# EAGLE board Mk4 Final Panel 6up 3x2 (EAGLE 9.0.1), part 11 of 18
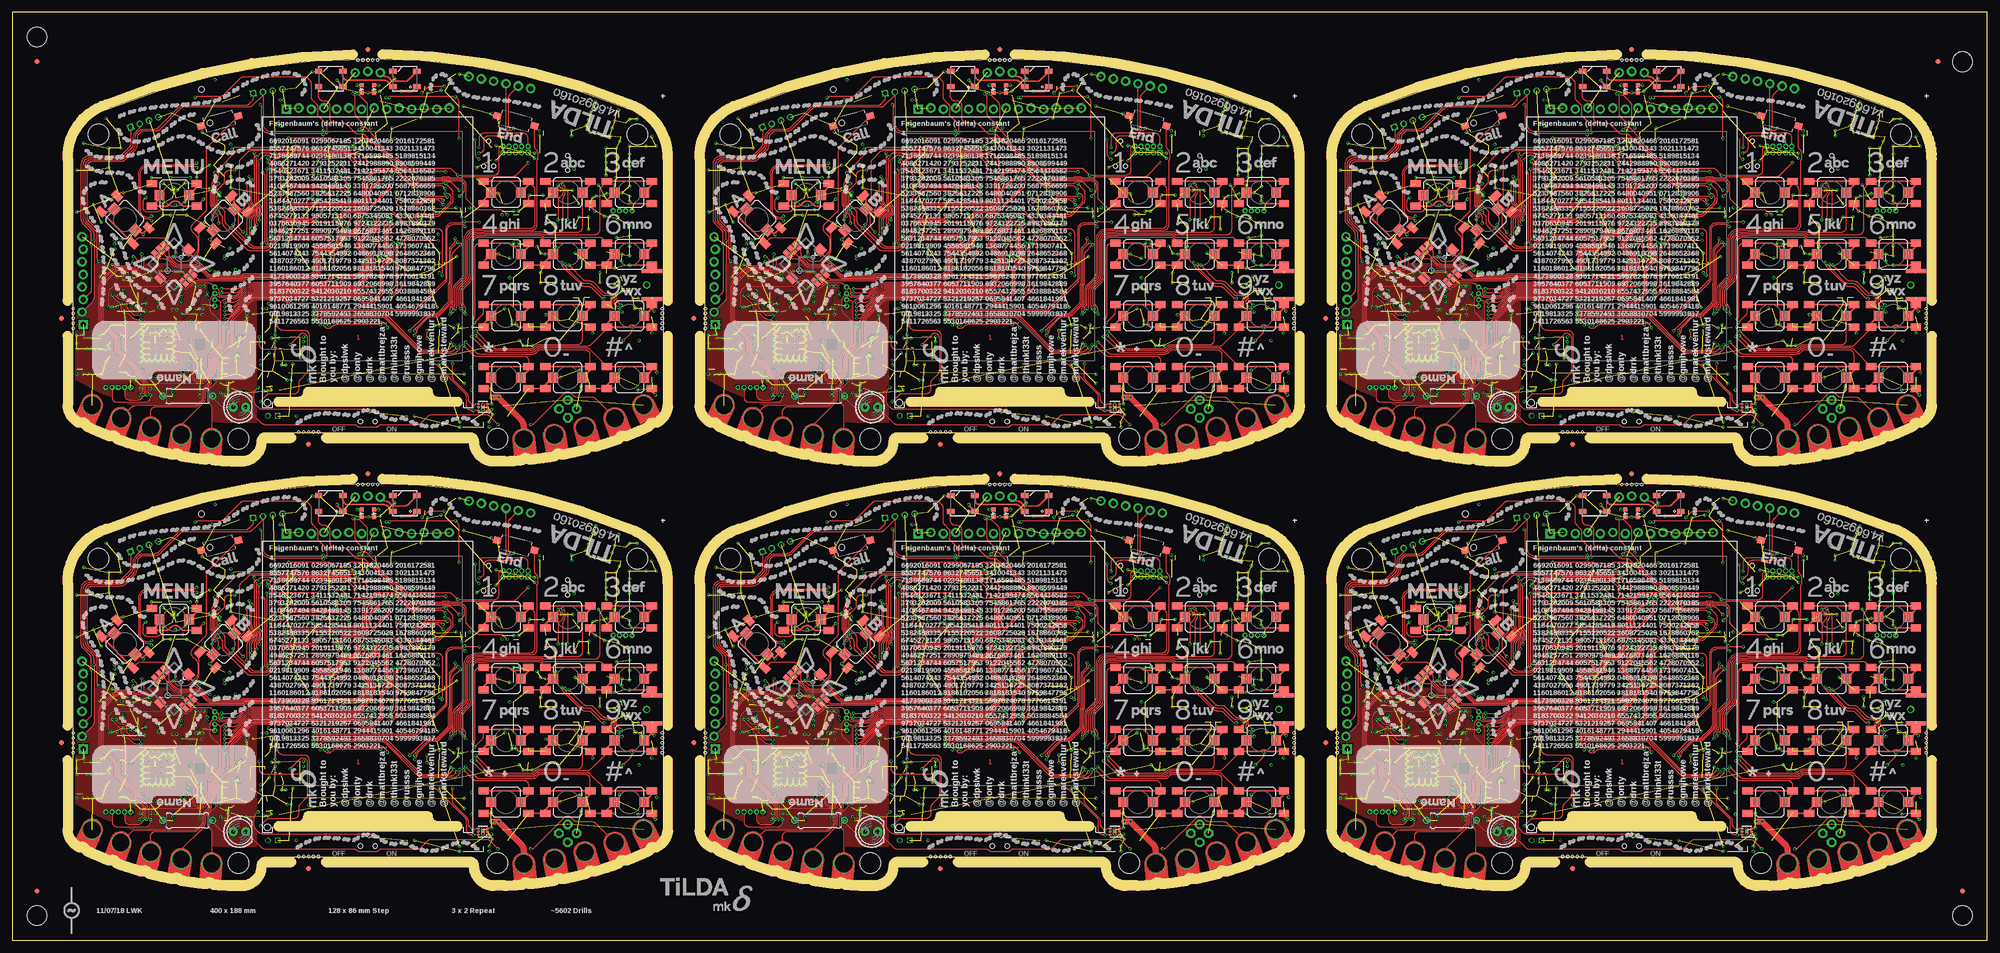
[diagram p0: board, top side]
## Tracks (layer width: path | path; a pad name or v marks a point on that pad's centre or on a via) (continued)
JOY_DOWN  (via drill 0.3) (continued)
  Bottom 0.15: v72,59.8 72.1,59.9 72.1,60.61 arc45 71.81,61.32 71.59,61.53 arc-45 71.3,62.24 71.3,66.69 arc45 71.01,67.39 69.69,68.71 arc-45 69.4,69.41 IC1.74
JOY_DOWN1  (via drill 0.3)
  Top 0.15: v200,59.8 200,59.41 arc-45 199.71,58.71 197.85,56.85 arc-45 197.49,56.7 195.5,56.7 arc90 195,56.2 195,55.8 arc-90 193,53.8 190.94,53.8 arc90 190.35,53.2 190.35,49.52 arc-90 188.68,47.85 175.29,47.85 arc45 175.12,47.78 174.99,47.65 arc-45 174.81,47.58 165.08,47.58 arc45 164.73,47.43 164.15,46.85 arc-45 163.79,46.7 163.3,46.7 SW2.D
  Bottom 0.15: v200,59.8 200.1,59.9 200.1,60.61 arc45 199.81,61.32 199.59,61.53 arc-45 199.3,62.24 199.3,66.69 arc45 199.01,67.39 197.69,68.71 arc-45 197.4,69.41 IC20.74
JOY_DOWN2  (via drill 0.3)
  Top 0.15: v72,145.8 72,145.41 arc-45 71.71,144.71 69.85,142.85 arc-45 69.49,142.7 67.5,142.7 arc90 67,142.2 67,141.8 arc-90 65,139.8 62.95,139.8 arc90 62.35,139.2 62.35,135.53 arc-90 60.67,133.85 47.29,133.85 arc45 47.12,133.78 46.99,133.65 arc-45 46.81,133.57 37.08,133.57 arc45 36.73,133.43 36.15,132.85 arc-45 35.79,132.7 35.3,132.7 SW3.D
  Bottom 0.15: v72,145.8 72.1,145.9 72.1,146.61 arc45 71.81,147.32 71.59,147.53 arc-45 71.3,148.24 71.3,152.69 arc45 71.01,153.39 69.69,154.71 arc-45 69.4,155.41 IC38.74
JOY_DOWN3  (via drill 0.3)
  Top 0.15: v200,145.8 200,145.41 arc-45 199.71,144.71 197.85,142.85 arc-45 197.49,142.7 195.5,142.7 arc90 195,142.2 195,141.8 arc-90 193,139.8 190.94,139.8 arc90 190.35,139.2 190.35,135.53 arc-90 188.68,133.85 175.29,133.85 arc45 175.12,133.78 174.99,133.65 arc-45 174.81,133.57 165.08,133.57 arc45 164.73,133.43 164.15,132.85 arc-45 163.79,132.7 163.3,132.7 SW4.D
  Bottom 0.15: v200,145.8 200.1,145.9 200.1,146.61 arc45 199.81,147.32 199.59,147.53 arc-45 199.3,148.24 199.3,152.69 arc45 199.01,153.39 197.69,154.71 arc-45 197.4,155.41 IC56.74
JOY_DOWN4  (via drill 0.3)
  Top 0.15: v328,59.8 328,59.41 arc-45 327.71,58.71 325.85,56.85 arc-45 325.49,56.7 323.5,56.7 arc90 323,56.2 323,55.8 arc-90 321,53.8 318.94,53.8 arc90 318.35,53.2 318.35,49.52 arc-90 316.68,47.85 303.29,47.85 arc45 303.12,47.78 302.99,47.65 arc-45 302.81,47.58 293.08,47.58 arc45 292.73,47.43 292.15,46.85 arc-45 291.79,46.7 291.3,46.7 SW5.D
  Bottom 0.15: v328,59.8 328.1,59.9 328.1,60.61 arc45 327.81,61.32 327.59,61.53 arc-45 327.3,62.24 327.3,66.69 arc45 327.01,67.39 325.69,68.71 arc-45 325.4,69.41 IC74.74
JOY_DOWN6  (via drill 0.3)
  Top 0.15: v328,145.8 328,145.41 arc-45 327.71,144.71 325.85,142.85 arc-45 325.49,142.7 323.5,142.7 arc90 323,142.2 323,141.8 arc-90 321,139.8 318.94,139.8 arc90 318.35,139.2 318.35,135.53 arc-90 316.68,133.85 303.29,133.85 arc45 303.12,133.78 302.99,133.65 arc-45 302.81,133.57 293.08,133.57 arc45 292.73,133.43 292.15,132.85 arc-45 291.79,132.7 291.3,132.7 SW7.D
  Bottom 0.15: v328,145.8 328.1,145.9 328.1,146.61 arc45 327.81,147.32 327.59,147.53 arc-45 327.3,148.24 327.3,152.69 arc45 327.01,153.39 325.69,154.71 arc-45 325.4,155.41 IC110.74
JOY_LEFT  (via drill 0.3)
  Top 0.15: SW1.C 29.65,52.35 arc45 30.35,52.06 30.86,52.06 arc-45 31.56,51.76 32.53,50.8 arc45 33.59,50.36 36.67,50.36 arc-45 37.02,50.21 37.04,50.2 arc45 37.39,50.05 37.65,50.05 arc-45 38.01,49.9 39.3,48.61 arc45 40.36,48.17 46.44,48.17 arc45 46.83,48.34 46.87,48.38 arc-45 47.05,48.45 60.39,48.45 arc90 61.75,49.81 61.75,53.46 arc-90 62.69,54.4 64.9,54.4 arc90 66.4,55.9 66.4,56.3 arc-90 67.4,57.3 69.04,57.3 arc45 69.39,57.45 70.05,58.1 arc45 70.2,58.46 70.2,58.59 arc-45 70.35,58.95 v71.2,59.8
  Bottom 0.15: IC1.73 69,69.21 arc45 69.29,68.51 70.71,67.09 arc-45 71,66.39 71,62.11 arc45 71.29,61.41 71.51,61.19 arc-45 71.8,60.49 arc-45 71.74,60.34 v71.2,59.8
JOY_LEFT1  (via drill 0.3)
  Top 0.15: SW2.C 157.65,52.35 arc45 158.36,52.06 158.86,52.06 arc-45 159.56,51.76 160.53,50.8 arc45 161.59,50.36 164.67,50.36 arc-45 165.02,50.21 165.04,50.2 arc45 165.39,50.05 165.65,50.05 arc-45 166,49.9 167.3,48.61 arc45 168.36,48.17 174.44,48.17 arc45 174.83,48.34 174.87,48.38 arc-45 175.05,48.45 188.39,48.45 arc90 189.75,49.81 189.75,53.46 arc-90 190.69,54.4 192.9,54.4 arc90 194.4,55.9 194.4,56.3 arc-90 195.4,57.3 197.04,57.3 arc45 197.39,57.45 198.05,58.1 arc45 198.2,58.46 198.2,58.59 arc-45 198.35,58.95 v199.2,59.8
  Bottom 0.15: IC20.73 197,69.21 arc45 197.29,68.51 198.71,67.09 arc-45 199,66.39 199,62.11 arc45 199.29,61.41 199.51,61.19 arc-45 199.8,60.49 arc-45 199.74,60.34 v199.2,59.8
JOY_LEFT2  (via drill 0.3)
  Top 0.15: SW3.C 29.65,138.35 arc45 30.35,138.06 30.86,138.06 arc-45 31.56,137.76 32.53,136.8 arc45 33.59,136.36 36.67,136.36 arc-45 37.02,136.21 37.04,136.2 arc45 37.39,136.05 37.65,136.05 arc-45 38.01,135.9 39.3,134.61 arc45 40.36,134.18 46.44,134.18 arc45 46.83,134.34 46.87,134.38 arc-45 47.05,134.45 60.39,134.45 arc90 61.75,135.81 61.75,139.46 arc-90 62.69,140.4 64.9,140.4 arc90 66.4,141.9 66.4,142.3 arc-90 67.4,143.3 69.04,143.3 arc45 69.39,143.45 70.05,144.1 arc45 70.2,144.46 70.2,144.59 arc-45 70.35,144.95 v71.2,145.8
  Bottom 0.15: IC38.73 69,155.21 arc45 69.29,154.51 70.71,153.09 arc-45 71,152.39 71,148.11 arc45 71.29,147.41 71.51,147.19 arc-45 71.8,146.49 arc-45 71.74,146.34 v71.2,145.8
JOY_LEFT3  (via drill 0.3)
  Top 0.15: SW4.C 157.65,138.35 arc45 158.36,138.06 158.86,138.06 arc-45 159.56,137.76 160.53,136.8 arc45 161.59,136.36 164.67,136.36 arc-45 165.02,136.21 165.04,136.2 arc45 165.39,136.05 165.65,136.05 arc-45 166,135.9 167.3,134.61 arc45 168.36,134.18 174.44,134.18 arc45 174.83,134.34 174.87,134.38 arc-45 175.05,134.45 188.39,134.45 arc90 189.75,135.81 189.75,139.46 arc-90 190.69,140.4 192.9,140.4 arc90 194.4,141.9 194.4,142.3 arc-90 195.4,143.3 197.04,143.3 arc45 197.39,143.45 198.05,144.1 arc45 198.2,144.46 198.2,144.59 arc-45 198.35,144.95 v199.2,145.8
  Bottom 0.15: IC56.73 197,155.21 arc45 197.29,154.51 198.71,153.09 arc-45 199,152.39 199,148.11 arc45 199.29,147.41 199.51,147.19 arc-45 199.8,146.49 arc-45 199.74,146.34 v199.2,145.8
JOY_LEFT4  (via drill 0.3)
  Top 0.15: SW5.C 285.65,52.35 arc45 286.36,52.06 286.86,52.06 arc-45 287.56,51.76 288.53,50.8 arc45 289.59,50.36 292.67,50.36 arc-45 293.02,50.21 293.04,50.2 arc45 293.39,50.05 293.65,50.05 arc-45 294,49.9 295.29,48.61 arc45 296.36,48.17 302.44,48.17 arc45 302.83,48.34 302.87,48.38 arc-45 303.04,48.45 316.39,48.45 arc90 317.75,49.81 317.75,53.46 arc-90 318.69,54.4 320.9,54.4 arc90 322.4,55.9 322.4,56.3 arc-90 323.4,57.3 325.04,57.3 arc45 325.39,57.45 326.05,58.1 arc45 326.2,58.46 326.2,58.59 arc-45 326.35,58.95 v327.2,59.8
  Bottom 0.15: IC74.73 325,69.21 arc45 325.29,68.51 326.71,67.09 arc-45 327,66.39 327,62.11 arc45 327.29,61.41 327.51,61.19 arc-45 327.8,60.49 arc-45 327.74,60.34 v327.2,59.8
JOY_LEFT6  (via drill 0.3)
  Top 0.15: SW7.C 285.65,138.35 arc45 286.36,138.06 286.86,138.06 arc-45 287.56,137.76 288.53,136.8 arc45 289.59,136.36 292.67,136.36 arc-45 293.02,136.21 293.04,136.2 arc45 293.39,136.05 293.65,136.05 arc-45 294,135.9 295.29,134.61 arc45 296.36,134.18 302.44,134.18 arc45 302.83,134.34 302.87,134.38 arc-45 303.04,134.45 316.39,134.45 arc90 317.75,135.81 317.75,139.46 arc-90 318.69,140.4 320.9,140.4 arc90 322.4,141.9 322.4,142.3 arc-90 323.4,143.3 325.04,143.3 arc45 325.39,143.45 326.05,144.1 arc45 326.2,144.46 326.2,144.59 arc-45 326.35,144.95 v327.2,145.8
  Bottom 0.15: IC110.73 325,155.21 arc45 325.29,154.51 326.71,153.09 arc-45 327,152.39 327,148.11 arc45 327.29,147.41 327.51,147.19 arc-45 327.8,146.49 arc-45 327.74,146.34 v327.2,145.8
JOY_RIGHT  (via drill 0.3)
  Top 0.15: v71.2,59 71.08,59 arc45 70.73,58.85 70.65,58.77 arc45 70.5,58.42 70.5,58.33 arc-45 70.35,57.98 69.52,57.15 arc-45 69.17,57 67.45,57 arc90 66.7,56.25 66.7,55.85 arc-90 64.95,54.1 62.8,54.1 arc90 62.05,53.35 62.05,49.69 arc-90 60.51,48.15 47.17,48.15 arc45 46.99,48.08 46.86,47.95 arc-45 46.69,47.88 37.94,47.88 arc-45 37.58,48.02 SW1.B | v74,66.6 arc-45 74.24,66.7 v75.3,66.7
  Bottom 0.15: v74,66.6 72.6,66.6 arc90 71.6,65.6 71.6,62.41 arc45 71.89,61.71 72.31,61.29 arc-45 72.6,60.59 72.6,60 arc-90 71.6,59 v71.2,59 | IC1.91 76.2,71.79 76.28,71.72 76.28,71.47 arc-90 75.78,70.97 75.47,70.97 arc90 74.97,70.47 74.97,67.44 arc45 75.27,66.73 v75.3,66.7
JOY_RIGHT1  (via drill 0.3)
  Top 0.15: v199.2,59 199.08,59 arc45 198.73,58.85 198.65,58.77 arc45 198.5,58.42 198.5,58.33 arc-45 198.35,57.98 197.52,57.15 arc-45 197.17,57 195.45,57 arc90 194.7,56.25 194.7,55.85 arc-90 192.95,54.1 190.8,54.1 arc90 190.05,53.35 190.05,49.69 arc-90 188.51,48.15 175.17,48.15 arc45 174.99,48.08 174.86,47.95 arc-45 174.69,47.88 165.94,47.88 arc-45 165.58,48.02 SW2.B | v202,66.6 arc-45 202.24,66.7 v203.3,66.7
  Bottom 0.15: v202,66.6 200.6,66.6 arc90 199.6,65.6 199.6,62.41 arc45 199.89,61.71 200.31,61.29 arc-45 200.6,60.59 200.6,60 arc-90 199.6,59 v199.2,59 | IC20.91 204.2,71.79 204.28,71.72 204.28,71.47 arc-90 203.78,70.97 203.47,70.97 arc90 202.97,70.47 202.97,67.44 arc45 203.27,66.73 v203.3,66.7
JOY_RIGHT2  (via drill 0.3)
  Top 0.15: v71.2,145 71.08,145 arc45 70.73,144.85 70.65,144.77 arc45 70.5,144.42 70.5,144.33 arc-45 70.35,143.98 69.52,143.15 arc-45 69.17,143 67.45,143 arc90 66.7,142.25 66.7,141.85 arc-90 64.95,140.1 62.8,140.1 arc90 62.05,139.35 62.05,135.69 arc-90 60.51,134.15 47.17,134.15 arc45 46.99,134.08 46.86,133.95 arc-45 46.69,133.88 37.94,133.88 arc-45 37.58,134.02 SW3.B | v74,152.6 arc-45 74.24,152.7 v75.3,152.7
  Bottom 0.15: v74,152.6 72.6,152.6 arc90 71.6,151.6 71.6,148.41 arc45 71.89,147.71 72.31,147.29 arc-45 72.6,146.59 72.6,146 arc-90 71.6,145 v71.2,145 | IC38.91 76.2,157.79 76.28,157.72 76.28,157.47 arc-90 75.78,156.97 75.47,156.97 arc90 74.97,156.47 74.97,153.44 arc45 75.27,152.73 v75.3,152.7
JOY_RIGHT3  (via drill 0.3)
  Top 0.15: v199.2,145 199.08,145 arc45 198.73,144.85 198.65,144.77 arc45 198.5,144.42 198.5,144.33 arc-45 198.35,143.98 197.52,143.15 arc-45 197.17,143 195.45,143 arc90 194.7,142.25 194.7,141.85 arc-90 192.95,140.1 190.8,140.1 arc90 190.05,139.35 190.05,135.69 arc-90 188.51,134.15 175.17,134.15 arc45 174.99,134.08 174.86,133.95 arc-45 174.69,133.88 165.94,133.88 arc-45 165.58,134.02 SW4.B | v202,152.6 arc-45 202.24,152.7 v203.3,152.7
  Bottom 0.15: v202,152.6 200.6,152.6 arc90 199.6,151.6 199.6,148.41 arc45 199.89,147.71 200.31,147.29 arc-45 200.6,146.59 200.6,146 arc-90 199.6,145 v199.2,145 | IC56.91 204.2,157.79 204.28,157.72 204.28,157.47 arc-90 203.78,156.97 203.47,156.97 arc90 202.97,156.47 202.97,153.44 arc45 203.27,152.73 v203.3,152.7
JOY_RIGHT4  (via drill 0.3)
  Top 0.15: v327.2,59 327.08,59 arc45 326.73,58.85 326.65,58.77 arc45 326.5,58.42 326.5,58.33 arc-45 326.35,57.98 325.52,57.15 arc-45 325.17,57 323.45,57 arc90 322.7,56.25 322.7,55.85 arc-90 320.95,54.1 318.8,54.1 arc90 318.05,53.35 318.05,49.69 arc-90 316.51,48.15 303.17,48.15 arc45 302.99,48.08 302.86,47.95 arc-45 302.69,47.88 293.94,47.88 arc-45 293.58,48.02 SW5.B | v330,66.6 arc-45 330.24,66.7 v331.3,66.7
  Bottom 0.15: v330,66.6 328.6,66.6 arc90 327.6,65.6 327.6,62.41 arc45 327.89,61.71 328.31,61.29 arc-45 328.6,60.59 328.6,60 arc-90 327.6,59 v327.2,59 | IC74.91 332.2,71.79 332.27,71.72 332.27,71.47 arc-90 331.77,70.97 331.48,70.97 arc90 330.98,70.47 330.98,67.44 arc45 331.27,66.73 v331.3,66.7
JOY_RIGHT6  (via drill 0.3)
  Top 0.15: v327.2,145 327.08,145 arc45 326.73,144.85 326.65,144.77 arc45 326.5,144.42 326.5,144.33 arc-45 326.35,143.98 325.52,143.15 arc-45 325.17,143 323.45,143 arc90 322.7,142.25 322.7,141.85 arc-90 320.95,140.1 318.8,140.1 arc90 318.05,139.35 318.05,135.69 arc-90 316.51,134.15 303.17,134.15 arc45 302.99,134.08 302.86,133.95 arc-45 302.69,133.88 293.94,133.88 arc-45 293.58,134.02 SW7.B | v330,152.6 arc-45 330.24,152.7 v331.3,152.7
  Bottom 0.15: v330,152.6 328.6,152.6 arc90 327.6,151.6 327.6,148.41 arc45 327.89,147.71 328.31,147.29 arc-45 328.6,146.59 328.6,146 arc-90 327.6,145 v327.2,145 | IC110.91 332.2,157.79 332.27,157.72 332.27,157.47 arc-90 331.77,156.97 331.48,156.97 arc90 330.98,156.47 330.98,153.44 arc45 331.27,152.73 v331.3,152.7
JOY_UP  (via drill 0.3)
  Top 0.15: SW1.A 31.4,54.2 arc-45 31.69,53.49 31.69,53 arc45 31.99,52.29 33.02,51.25 arc45 33.73,50.96 36.92,50.96 arc-45 37.27,50.81 37.29,50.8 arc45 37.64,50.65 37.9,50.65 arc-45 38.25,50.5 39.69,49.07 arc45 40.4,48.77 46.31,48.77 arc45 46.49,48.85 46.62,48.98 arc-45 46.8,49.05 60.15,49.05 arc90 61.15,50.05 61.15,53.72 arc-90 62.43,55 64.8,55 arc90 65.8,56 65.8,56.4 arc-90 67.3,57.9 68.79,57.9 arc45 69.15,58.05 69.45,58.35 arc45 69.6,58.71 69.6,59.59 arc-45 69.75,59.95 v70.4,60.6
  Bottom 0.15: IC1.71 68.2,68.81 arc45 68.49,68.11 70.11,66.49 arc-45 70.4,65.79 v70.4,60.6
JOY_UP1  (via drill 0.3)
  Top 0.15: SW2.A 159.4,54.2 arc-45 159.69,53.49 159.69,53 arc45 159.99,52.29 161.02,51.25 arc45 161.73,50.96 164.92,50.96 arc-45 165.27,50.81 165.29,50.8 arc45 165.64,50.65 165.9,50.65 arc-45 166.25,50.5 167.69,49.07 arc45 168.4,48.77 174.31,48.77 arc45 174.49,48.85 174.62,48.98 arc-45 174.8,49.05 188.15,49.05 arc90 189.15,50.05 189.15,53.72 arc-90 190.43,55 192.8,55 arc90 193.8,56 193.8,56.4 arc-90 195.3,57.9 196.79,57.9 arc45 197.15,58.05 197.45,58.35 arc45 197.6,58.71 197.6,59.59 arc-45 197.75,59.95 v198.4,60.6
  Bottom 0.15: IC20.71 196.2,68.81 arc45 196.49,68.11 198.11,66.49 arc-45 198.4,65.79 v198.4,60.6
JOY_UP2  (via drill 0.3)
  Top 0.15: SW3.A 31.4,140.2 arc-45 31.69,139.5 31.69,139 arc45 31.99,138.29 33.02,137.25 arc45 33.73,136.96 36.92,136.96 arc-45 37.27,136.81 37.29,136.8 arc45 37.64,136.65 37.9,136.65 arc-45 38.25,136.5 39.69,135.07 arc45 40.4,134.78 46.31,134.78 arc45 46.49,134.85 46.62,134.98 arc-45 46.8,135.05 60.15,135.05 arc90 61.15,136.05 61.15,139.72 arc-90 62.43,141 64.8,141 arc90 65.8,142 65.8,142.4 arc-90 67.3,143.9 68.79,143.9 arc45 69.15,144.05 69.45,144.35 arc45 69.6,144.71 69.6,145.59 arc-45 69.75,145.95 v70.4,146.6
  Bottom 0.15: IC38.71 68.2,154.81 arc45 68.49,154.11 70.11,152.49 arc-45 70.4,151.79 v70.4,146.6
JOY_UP3  (via drill 0.3)
  Top 0.15: SW4.A 159.4,140.2 arc-45 159.69,139.5 159.69,139 arc45 159.99,138.29 161.02,137.25 arc45 161.73,136.96 164.92,136.96 arc-45 165.27,136.81 165.29,136.8 arc45 165.64,136.65 165.9,136.65 arc-45 166.25,136.5 167.69,135.07 arc45 168.4,134.78 174.31,134.78 arc45 174.49,134.85 174.62,134.98 arc-45 174.8,135.05 188.15,135.05 arc90 189.15,136.05 189.15,139.72 arc-90 190.43,141 192.8,141 arc90 193.8,142 193.8,142.4 arc-90 195.3,143.9 196.79,143.9 arc45 197.15,144.05 197.45,144.35 arc45 197.6,144.71 197.6,145.59 arc-45 197.75,145.95 v198.4,146.6
  Bottom 0.15: IC56.71 196.2,154.81 arc45 196.49,154.11 198.11,152.49 arc-45 198.4,151.79 v198.4,146.6
JOY_UP4  (via drill 0.3)
  Top 0.15: SW5.A 287.4,54.2 arc-45 287.69,53.49 287.69,53 arc45 287.99,52.29 289.02,51.25 arc45 289.73,50.96 292.92,50.96 arc-45 293.27,50.81 293.29,50.8 arc45 293.64,50.65 293.9,50.65 arc-45 294.25,50.5 295.69,49.07 arc45 296.4,48.77 302.31,48.77 arc45 302.49,48.85 302.62,48.98 arc-45 302.8,49.05 316.15,49.05 arc90 317.15,50.05 317.15,53.72 arc-90 318.43,55 320.8,55 arc90 321.8,56 321.8,56.4 arc-90 323.3,57.9 324.79,57.9 arc45 325.15,58.05 325.45,58.35 arc45 325.6,58.71 325.6,59.59 arc-45 325.75,59.95 v326.4,60.6
  Bottom 0.15: IC74.71 324.2,68.81 arc45 324.49,68.11 326.11,66.49 arc-45 326.4,65.79 v326.4,60.6
JOY_UP6  (via drill 0.3)
  Top 0.15: SW7.A 287.4,140.2 arc-45 287.69,139.5 287.69,139 arc45 287.99,138.29 289.02,137.25 arc45 289.73,136.96 292.92,136.96 arc-45 293.27,136.81 293.29,136.8 arc45 293.64,136.65 293.9,136.65 arc-45 294.25,136.5 295.69,135.07 arc45 296.4,134.78 302.31,134.78 arc45 302.49,134.85 302.62,134.98 arc-45 302.8,135.05 316.15,135.05 arc90 317.15,136.05 317.15,139.72 arc-90 318.43,141 320.8,141 arc90 321.8,142 321.8,142.4 arc-90 323.3,143.9 324.79,143.9 arc45 325.15,144.05 325.45,144.35 arc45 325.6,144.71 325.6,145.59 arc-45 325.75,145.95 v326.4,146.6
  Bottom 0.15: IC110.71 324.2,154.81 arc45 324.49,154.11 326.11,152.49 arc-45 326.4,151.79 v326.4,146.6
LCD_!RST  (via drill 0.3)
  Top 0.15: v77.6,65.6 77.6,63.91 arc45 77.89,63.21 81.43,59.67 arc45 81.78,59.52 82.26,59.52 arc-45 82.61,59.38 82.95,59.05 arc45 83.3,58.9 v83.6,58.9
  Bottom 0.15: IC1.111 v77.6,65.6 | v83.6,58.9 84.01,58.49 arc-45 84.3,57.79 84.3,54.21 arc-45 84.01,53.5 83.87,53.36 arc45 83.72,53.01 83.72,52.9 arc-90 83.22,52.4 80.75,52.4 arc90 79.75,51.4 J2.10
LCD_!RST1  (via drill 0.3)
  Top 0.15: v205.6,65.6 205.6,63.91 arc45 205.89,63.21 209.43,59.67 arc45 209.78,59.52 210.26,59.52 arc-45 210.61,59.38 210.95,59.05 arc45 211.3,58.9 v211.6,58.9
  Bottom 0.15: IC20.111 v205.6,65.6 | v211.6,58.9 212.01,58.49 arc-45 212.3,57.79 212.3,54.21 arc-45 212.01,53.5 211.87,53.36 arc45 211.72,53.01 211.72,52.9 arc-90 211.22,52.4 208.75,52.4 arc90 207.75,51.4 J6.10
LCD_!RST2  (via drill 0.3)
  Top 0.15: v77.6,151.6 77.6,149.91 arc45 77.89,149.21 81.43,145.67 arc45 81.78,145.53 82.26,145.53 arc-45 82.61,145.38 82.95,145.05 arc45 83.3,144.9 v83.6,144.9
  Bottom 0.15: IC38.111 v77.6,151.6 | v83.6,144.9 84.01,144.49 arc-45 84.3,143.79 84.3,140.21 arc-45 84.01,139.5 83.87,139.36 arc45 83.72,139.01 83.72,138.9 arc-90 83.22,138.4 80.75,138.4 arc90 79.75,137.4 J21.10
LCD_!RST3  (via drill 0.3)
  Top 0.15: v205.6,151.6 205.6,149.91 arc45 205.89,149.21 209.43,145.67 arc45 209.78,145.53 210.26,145.53 arc-45 210.61,145.38 210.95,145.05 arc45 211.3,144.9 v211.6,144.9
  Bottom 0.15: IC56.111 v205.6,151.6 | v211.6,144.9 212.01,144.49 arc-45 212.3,143.79 212.3,140.21 arc-45 212.01,139.5 211.87,139.36 arc45 211.72,139.01 211.72,138.9 arc-90 211.22,138.4 208.75,138.4 arc90 207.75,137.4 J31.10
LCD_!RST4  (via drill 0.3)
  Top 0.15: v333.6,65.6 333.6,63.91 arc45 333.89,63.21 337.43,59.67 arc45 337.78,59.52 338.26,59.52 arc-45 338.61,59.38 338.95,59.05 arc45 339.3,58.9 v339.6,58.9
  Bottom 0.15: IC74.111 v333.6,65.6 | v339.6,58.9 340.01,58.49 arc-45 340.3,57.79 340.3,54.21 arc-45 340.01,53.5 339.87,53.36 arc45 339.73,53.01 339.73,52.9 arc-90 339.23,52.4 336.75,52.4 arc90 335.75,51.4 J41.10
LCD_!RST6  (via drill 0.3)
  Top 0.15: v333.6,151.6 333.6,149.91 arc45 333.89,149.21 337.43,145.67 arc45 337.78,145.53 338.26,145.53 arc-45 338.61,145.38 338.95,145.05 arc45 339.3,144.9 v339.6,144.9
  Bottom 0.15: IC110.111 v333.6,151.6 | v339.6,144.9 340.01,144.49 arc-45 340.3,143.79 340.3,140.21 arc-45 340.01,139.5 339.87,139.36 arc45 339.73,139.01 339.73,138.9 arc-90 339.23,138.4 336.75,138.4 arc90 335.75,137.4 J61.10
LCD_DCX
  Bottom 0.15: J2.36 66.75,49.89 arc-45 67.04,50.59 67.21,50.76 arc45 67.5,51.46 67.5,53.69 arc-45 67.65,54.05 68.65,55.05 arc-45 69.01,55.2 69.14,55.2 arc45 69.5,55.35 70.45,56.3 arc45 70.6,56.66 IC1.20
LCD_DCX1
  Bottom 0.15: J6.36 194.75,49.89 arc-45 195.04,50.59 195.21,50.76 arc45 195.5,51.46 195.5,53.69 arc-45 195.65,54.05 196.65,55.05 arc-45 197.01,55.2 197.14,55.2 arc45 197.5,55.35 198.45,56.3 arc45 198.6,56.66 IC20.20
LCD_DCX2
  Bottom 0.15: J21.36 66.75,135.89 arc-45 67.04,136.59 67.21,136.76 arc45 67.5,137.46 67.5,139.69 arc-45 67.65,140.05 68.65,141.05 arc-45 69.01,141.2 69.14,141.2 arc45 69.5,141.35 70.45,142.3 arc45 70.6,142.66 IC38.20
LCD_DCX3
  Bottom 0.15: J31.36 194.75,135.89 arc-45 195.04,136.59 195.21,136.76 arc45 195.5,137.46 195.5,139.69 arc-45 195.65,140.05 196.65,141.05 arc-45 197.01,141.2 197.14,141.2 arc45 197.5,141.35 198.45,142.3 arc45 198.6,142.66 IC56.20
LCD_DCX4
  Bottom 0.15: J41.36 322.75,49.89 arc-45 323.04,50.59 323.21,50.76 arc45 323.5,51.46 323.5,53.69 arc-45 323.65,54.05 324.65,55.05 arc-45 325.01,55.2 325.14,55.2 arc45 325.5,55.35 326.45,56.3 arc45 326.6,56.66 IC74.20
LCD_DCX6
  Bottom 0.15: J61.36 322.75,135.89 arc-45 323.04,136.59 323.21,136.76 arc45 323.5,137.46 323.5,139.69 arc-45 323.65,140.05 324.65,141.05 arc-45 325.01,141.2 325.14,141.2 arc45 325.5,141.35 326.45,142.3 arc45 326.6,142.66 IC110.20
LCD_TEAR  (via drill 0.3)
  Top 0.15: v65.15,50.5 65.15,52.19 arc-45 65.44,52.89 65.76,53.21 arc-45 66.46,53.5 66.59,53.5 arc45 67.29,53.79 67.31,53.81 arc45 67.6,54.51 v67.6,55
  Bottom 0.15: J2.39 65.25,50.26 arc45 v65.15,50.5 | IC1.21 70.2,56.68 arc-45 70.05,56.33 69.37,55.65 arc-45 69.02,55.5 68.88,55.5 arc45 68.53,55.35 68.32,55.15 arc-45 67.97,55 v67.6,55
LCD_TEAR1  (via drill 0.3)
  Top 0.15: v193.15,50.5 193.15,52.19 arc-45 193.44,52.89 193.76,53.21 arc-45 194.46,53.5 194.59,53.5 arc45 195.29,53.79 195.31,53.81 arc45 195.6,54.51 v195.6,55
  Bottom 0.15: J6.39 193.25,50.26 arc45 v193.15,50.5 | IC20.21 198.2,56.68 arc-45 198.05,56.33 197.37,55.65 arc-45 197.02,55.5 196.88,55.5 arc45 196.53,55.35 196.32,55.15 arc-45 195.97,55 v195.6,55
LCD_TEAR2  (via drill 0.3)
  Top 0.15: v65.15,136.5 65.15,138.19 arc-45 65.44,138.89 65.76,139.21 arc-45 66.46,139.5 66.59,139.5 arc45 67.29,139.79 67.31,139.81 arc45 67.6,140.51 v67.6,141
  Bottom 0.15: J21.39 65.25,136.26 arc45 v65.15,136.5 | IC38.21 70.2,142.68 arc-45 70.05,142.33 69.37,141.65 arc-45 69.02,141.5 68.88,141.5 arc45 68.53,141.35 68.32,141.15 arc-45 67.97,141 v67.6,141
LCD_TEAR3  (via drill 0.3)
  Top 0.15: v193.15,136.5 193.15,138.19 arc-45 193.44,138.89 193.76,139.21 arc-45 194.46,139.5 194.59,139.5 arc45 195.29,139.79 195.31,139.81 arc45 195.6,140.51 v195.6,141
  Bottom 0.15: J31.39 193.25,136.26 arc45 v193.15,136.5 | IC56.21 198.2,142.68 arc-45 198.05,142.33 197.37,141.65 arc-45 197.02,141.5 196.88,141.5 arc45 196.53,141.35 196.32,141.15 arc-45 195.97,141 v195.6,141
LCD_TEAR4  (via drill 0.3)
  Top 0.15: v321.15,50.5 321.15,52.19 arc-45 321.44,52.89 321.76,53.21 arc-45 322.46,53.5 322.59,53.5 arc45 323.29,53.79 323.31,53.81 arc45 323.6,54.51 v323.6,55
  Bottom 0.15: J41.39 321.25,50.26 arc45 v321.15,50.5 | IC74.21 326.2,56.68 arc-45 326.05,56.33 325.37,55.65 arc-45 325.02,55.5 324.88,55.5 arc45 324.53,55.35 324.32,55.15 arc-45 323.97,55 v323.6,55
LCD_TEAR6  (via drill 0.3)
  Top 0.15: v321.15,136.5 321.15,138.19 arc-45 321.44,138.89 321.76,139.21 arc-45 322.46,139.5 322.59,139.5 arc45 323.29,139.79 323.31,139.81 arc45 323.6,140.51 v323.6,141
  Bottom 0.15: J61.39 321.25,136.26 arc45 v321.15,136.5 | IC110.21 326.2,142.68 arc-45 326.05,142.33 325.37,141.65 arc-45 325.02,141.5 324.88,141.5 arc45 324.53,141.35 324.32,141.15 arc-45 323.97,141 v323.6,141
LED1  (via drill 0.3)
  Top 0.15: v72,79.5 72,83.09 arc45 71.71,83.79 70.38,85.12 70.24,85.12 69.86,85.5 v69.75,85.5
  Bottom 0.15: IC1.86 74.2,73.22 arc90 73.5,73.92 arc-90 73,74.42 73,75.29 arc45 72.71,75.99 72.29,76.41 arc-45 72,77.11 v72,79.5 | R12.2 72.79,85.52 arc-45 72.08,85.22 70.03,85.22 v69.75,85.5
LED1_R  (via drill 0.3)
  Top 0.25: LED3.A v74.17,87.25
  Bottom 0.3: R12.1 73.52,87.25 v74.17,87.25
LED1_R1  (via drill 0.3)
  Top 0.25: LED9.A v202.17,87.25
  Bottom 0.3: R83.1 201.52,87.25 v202.17,87.25
LED1_R2  (via drill 0.3)
  Top 0.25: LED15.A v74.17,173.25
  Bottom 0.3: R161.1 73.52,173.25 v74.17,173.25
LED1_R3  (via drill 0.3)
  Top 0.25: LED21.A v202.17,173.25
  Bottom 0.3: R239.1 201.52,173.25 v202.17,173.25
LED1_R4  (via drill 0.3)
  Top 0.25: LED27.A v330.17,87.25
  Bottom 0.3: R317.1 329.52,87.25 v330.17,87.25
LED1_R6  (via drill 0.3)
  Top 0.25: LED39.A v330.17,173.25
  Bottom 0.3: R473.1 329.52,173.25 v330.17,173.25
LED2  (via drill 0.3)
  Top 0.15: v71,79.55 69.75,80.8 arc-45 69.46,81.5 69.46,85.04 v69,85.5
  Bottom 0.15: IC1.85 73.8,73.33 arc90 73.5,73.62 73.2,73.62 arc-90 72.7,74.12 72.7,75.14 arc45 72.41,75.84 71.99,76.26 arc-45 71.7,76.96 71.7,78.14 arc45 71.41,78.84 71.21,79.04 arc-45 v71,79.55 | R14.2 69.99,86 69.97,86.03 69.73,86.03 arc45 69.38,85.88 v69,85.5
LED2_R  (via drill 0.3)
  Top 0.25: LED4.A v69.83,87.25
  Bottom 0.25: v69.83,87.25 69.9,87.25 70.48,87.25 R14.1
LED2_R1  (via drill 0.3)
  Top 0.25: LED10.A v197.83,87.25
  Bottom 0.25: v197.83,87.25 198.48,87.25 R84.1
LED2_R2  (via drill 0.3)
  Top 0.25: LED16.A v69.83,173.25
  Bottom 0.25: v69.83,173.25 70.48,173.25 R162.1
LED2_R3  (via drill 0.3)
  Top 0.25: LED22.A v197.83,173.25
  Bottom 0.25: v197.83,173.25 198.48,173.25 R240.1
LED2_R4  (via drill 0.3)
  Top 0.25: LED28.A v325.83,87.25
  Bottom 0.25: v325.83,87.25 326.48,87.25 R318.1
LED2_R6  (via drill 0.3)
  Top 0.25: LED40.A v325.83,173.25
  Bottom 0.25: v325.83,173.25 326.48,173.25 R474.1
LED3  (via drill 0.3)
  Top 0.15: v200,79.5 200,83.09 arc45 199.71,83.79 198.38,85.12 198.24,85.12 197.86,85.5 v197.75,85.5
  Bottom 0.15: IC20.86 202.2,73.22 arc90 201.5,73.92 arc-90 201,74.42 201,75.29 arc45 200.71,75.99 200.29,76.41 arc-45 200,77.11 v200,79.5 | R83.2 200.79,85.52 arc-45 200.08,85.22 198.03,85.22 v197.75,85.5
LED4  (via drill 0.3)
  Top 0.15: v199,79.55 197.75,80.8 arc-45 197.46,81.5 197.46,85.04 v197,85.5
  Bottom 0.15: IC20.85 201.8,73.33 arc90 201.5,73.62 201.2,73.62 arc-90 200.7,74.12 200.7,75.14 arc45 200.41,75.84 199.99,76.26 arc-45 199.7,76.96 199.7,78.14 arc45 199.41,78.84 199.21,79.04 arc-45 v199,79.55 | R84.2 197.99,86 197.97,86.03 197.73,86.03 arc45 197.38,85.88 v197,85.5
LED5  (via drill 0.3)
  Top 0.15: v72,165.5 72,169.09 arc45 71.71,169.79 70.38,171.12 70.24,171.12 69.86,171.5 v69.75,171.5